# Altium PCB waffling60-MXHS-ISO.PcbDoc (part 1 of 3)
Units mm, origin at the board's own origin, x right, y up, seen from the top; angles counter-clockwise.
Board outline 284.73 x 94.2 mm, 2 copper layers (Component Side, Bottom Layer), stack 1.571 mm thick; 193 components, 119 nets, 1593 pads, 240 vias.
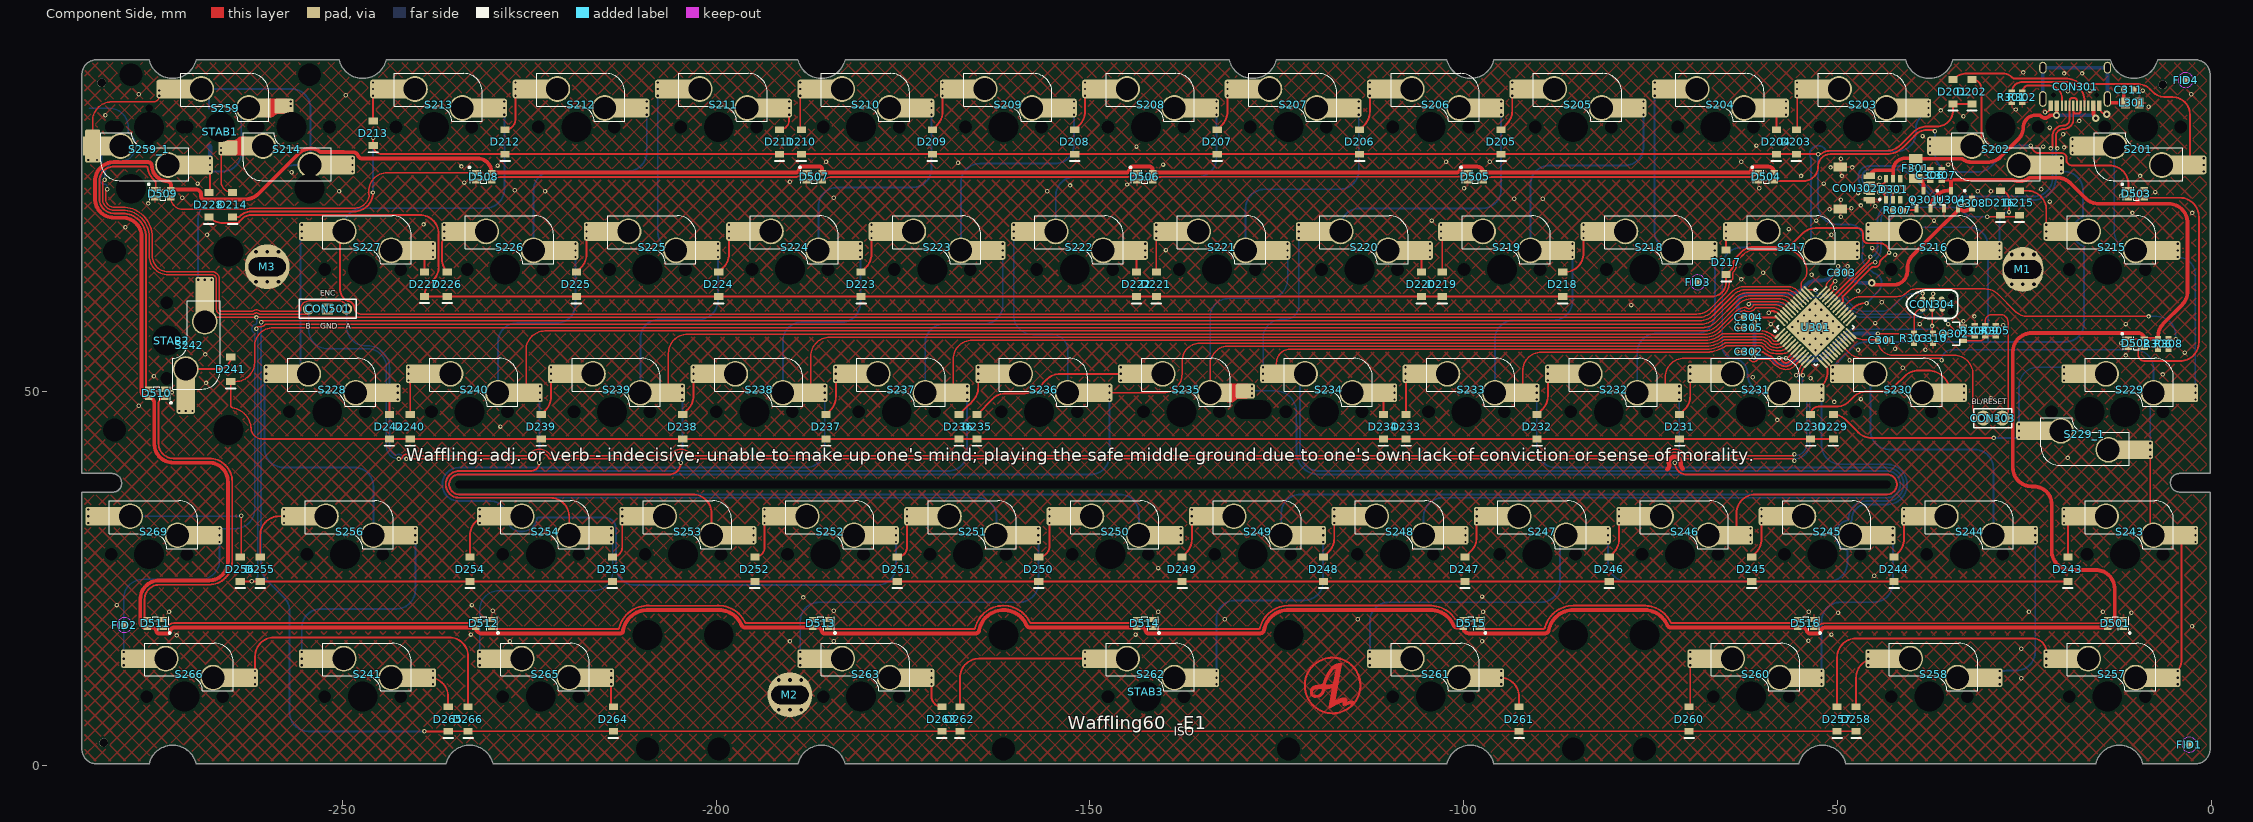
[diagram p0: Component Side view]
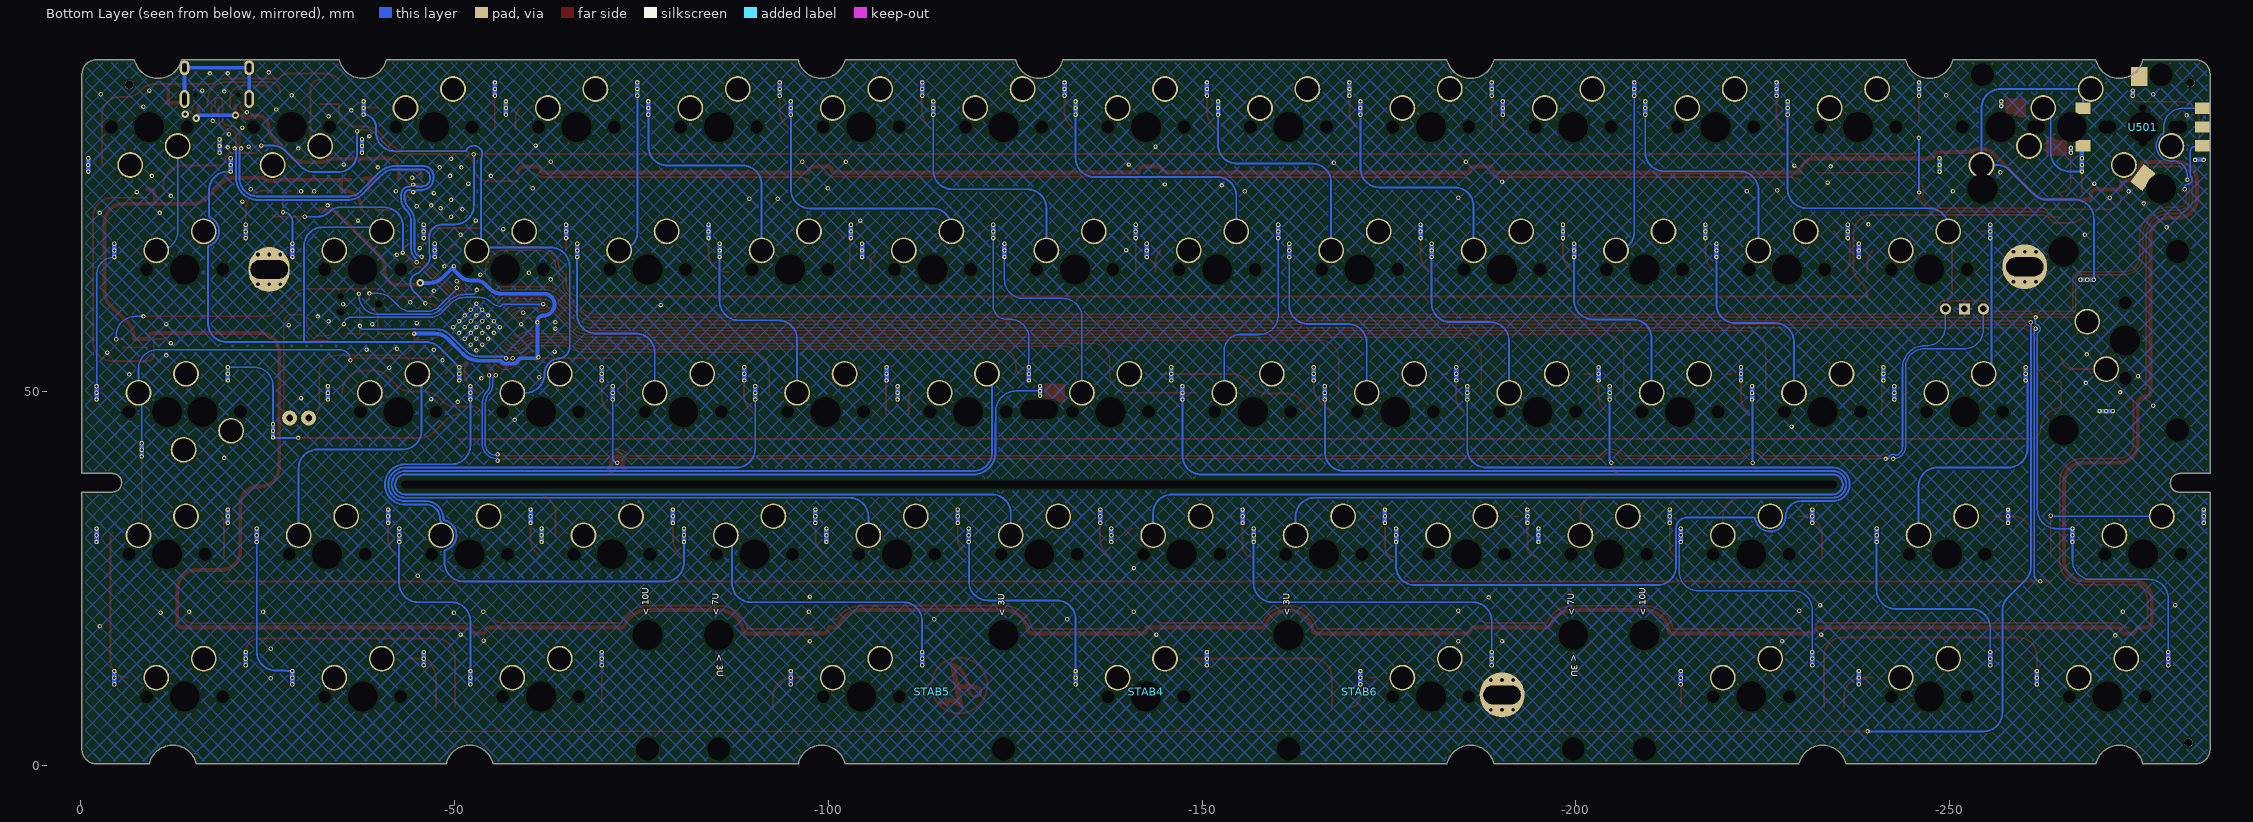
[diagram p1: Bottom Layer view, seen from below]
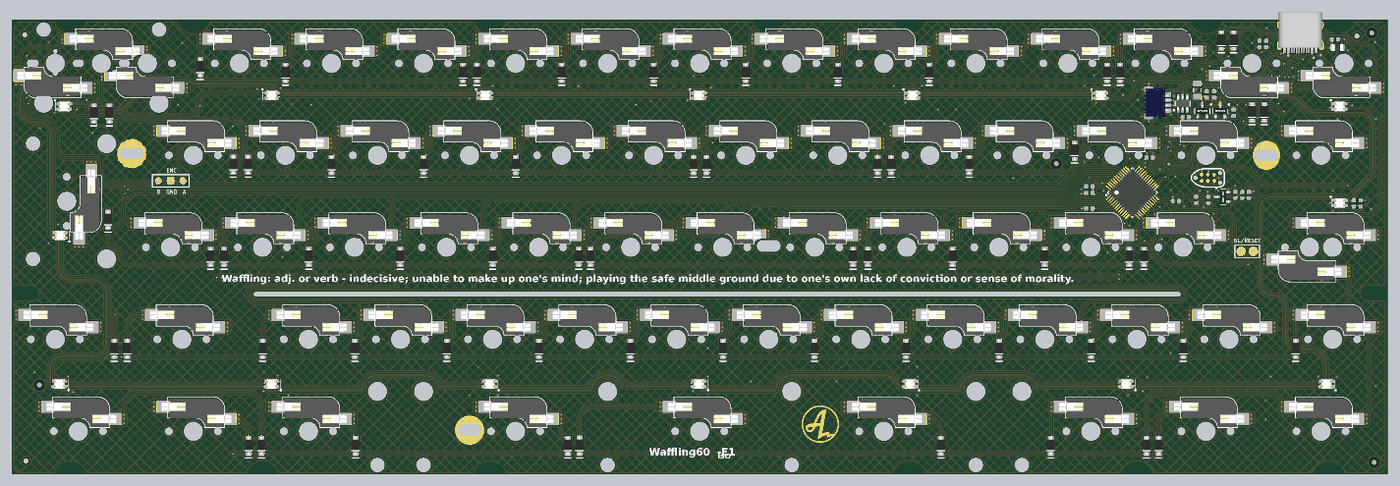
[diagram p4: 3D render of the assembled board from above, using the file's embedded part models]

## Layer stack, top to bottom
Top Solder: solder mask 0.0102, Solder Resist, Dk 3.5
Component Side: signal copper 0.0356
Dielectric 1: core 1.5, FR-4, Dk 4.2
Bottom Layer: signal copper 0.0356
Solder Side: solder mask 0.0102, Solder Resist, Dk 3.5

## Board outline
-284.85,2.215 ccw(c-282.85,2.215) -282.85,0.215 -275.85,0.215 cw(c-272.7,-0.52) -269.55,0.215 -236.137,0.215 cw(c-232.987,-0.52) -229.838,0.215 -189.05,0.215 cw(c-185.9,-0.52) -182.75,0.215 -102.25,0.215 cw(c-99.1,-0.52) -95.95,0.215 -55.161,0.215 cw(c-52.011,-0.52) -48.861,0.215 -15.45,0.215 cw(c-12.3,-0.52) -9.15,0.215 -2.15,0.215 ccw(c-2.15,2.215) -0.15,2.215 ccw(c-0.15,2.238) -0.127,2.238 -0.127,36.576 -4.191,36.576 cw(c-4.191,37.846) -5.461,37.846 cw(c-4.242,37.846) -4.242,39.065 -0.15,39.065 -0.15,92.415 ccw(c-2.15,92.415) -2.15,94.415 -7.177,94.415 cw(c-10.327,95.149) -13.477,94.415 -34.575,94.415 cw(c-37.724,95.149) -40.874,94.415 -95.95,94.415 cw(c-99.1,95.149) -102.25,94.415 -125.061,94.415 cw(c-128.211,95.149) -131.361,94.415 -182.75,94.415 cw(c-185.9,95.149) -189.05,94.415 -244.125,94.415 cw(c-247.274,95.149) -250.424,94.415 -269.55,94.415 cw(c-272.7,95.149) -275.85,94.415 -282.85,94.415 ccw(c-282.85,92.415) -284.85,92.415 -284.85,39.065 -280.797,39.065 cw(c-280.797,37.795) -279.527,37.795 -279.527,37.719 cw(c-280.67,37.719) -280.67,36.576 -284.861,36.576 -284.85,36.565

## Design rules (kind name [scope] priority, off if disabled: settings)
BoardOutlineClearance [All] p1: gap=0.254 ignorepadtopadclearanceinfootprint=FALSE except(0: Arc-SplitContinuation Track-SplitContinuation SMDPad-SplitContinuation THPad-SplitContinuation Via-SplitContinuation Fill-SplitContinuation Poly-SplitContinuation Region-SplitContinuation Text-SplitContinuation)
Clearance [All] p1: gap=0.2 ignorepadtopadclearanceinfootprint=FALSE except(0: Arc-Hole Track-Hole SMDPad-Hole THPad-Hole Via-Hole Fill-Hole Poly-Hole Region-Hole Text-Hole; 0.254: THPad-THPad THPad-Via THPad-Fill THPad-Poly THPad-Region THPad-Text Via-Via Via-Fill Via-Poly Via-Region Via-Text Fill-Fill Fill-Poly Fill-Region Fill-Text Poly-Poly Poly-Region Poly-Text Region-Region Region-Text Text-Text)
ComponentClearance [InComponent('No Component') And OnLayer('Component Side')] p1: gap=0.254 collisioncheckmode=3 verticalgap=0.254 showdistances=FALSE
DiffPairsRouting DiffPairsRouting_USB [InDifferentialPairClass('All Differential Pairs')] p1: maxlimit=0.254 minlimit=0.203 mostfreqgap=0.203 toplayer_minwidth=0.152 toplayer_maxwidth=0.381 toplayer_prefwidth=0.152 bottomlayer_minwidth=0.152 bottomlayer_maxwidth=0.381 bottomlayer_prefwidth=0.152 maxuncoupledlength=12.7
DiffPairsRouting [All] p2: maxlimit=0.254 minlimit=0.254 mostfreqgap=0.254 toplayer_minwidth=0.381 toplayer_maxwidth=0.381 toplayer_prefwidth=0.381 bottomlayer_minwidth=0.381 bottomlayer_maxwidth=0.381 bottomlayer_prefwidth=0.381 maxuncoupledlength=12.7
HoleSize [All] p1: absolutevalues=TRUE maxlimit=20 minlimit=0.025 maxpercent=80.000 minpercent=20.000
MatchedLengths MatchedLengths_USB_DiffPairs_1 [All] p1: tolerance=0.127 checknetsindiffpair=TRUE checkdiffpairvsdiffpair=FALSE checkxsignals=FALSE checkothers=FALSE
MatchedLengths MatchedLengths_USB_DiffPairs [All] p2: tolerance=0.127 checknetsindiffpair=TRUE checkdiffpairvsdiffpair=FALSE checkxsignals=FALSE checkothers=FALSE
PolygonConnect PolygonConnect_1 [All vs IsVia] p1: connectstyle=Direct reliefconductorwidth=0.254 reliefentries=4 polygonreliefangle="90 Angle" airgapwidth=0.254
PolygonConnect [All] p2: connectstyle=Relief reliefconductorwidth=0.254 reliefentries=4 polygonreliefangle="90 Angle" airgapwidth=0.254
RoutingVias [All] p1: holewidth=0.711 width=1.27 viastyle="Through Hole" minholewidth=0.711 minwidth=1.27 maxholewidth=0.711 maxwidth=1.27
SolderMaskExpansion [All] p1: expansion=0.102 istentingtop=FALSE
Width [All] p1: maxlimit=0.8 minlimit=0.203 preferedwidth=0.254 minimp=50.000000 maximp=50.000000 favimp=50.000000
27 further rules are at their usual default settings.

## Classes and differential pairs
component class 1_waffling60-MXHS-ISO_top: FID1 FID2 FID3 FID4
component class Designator: C201 C202 C203 C204 C205 C206 D201 D202 D203 D204 D205 D206 D207 D208 D209 D210 D211 D212 D213 D214 D215 D216 D217 D218 D219 D220 D221 D222 D223 D224 D225 D226 D227 D228 D229 D230 D231 D232 D233 D234 D235 D236 D237 D238 D239 D240 D241 D242 D243 D244 D245 D246 D247 D248 D249 D250 D251 D252 D253 D254 D255 D256 D257 D258 D260 D261 D262 D263 D264 D265 D266 D268 S201 S202 S203 S204 S205 S206 S207 S208 S209 S210 S211 S212 S213 S214 S215 S216 S217 S218 S219 S220 S221 S222 S223 S224 S225 S226 S227 S228 S229 S229_1 S230 S231 S232 S233 S234 S235 S236 S237 S238 S239 S240 S241 S242 S243 S244 S245 S246 S247 S248 S249 S250 S251 S252 S253 S254 S256 S257 S258 S259 S259_1 S260 S261 S262 S263 S265 S266 S269 STAB1 STAB2 STAB3 STAB4 STAB5 STAB6
differential pair D: +D_P -D_N

## Components (designator, comment, footprint, x,y, rotation, side; value= is the part's Value field where it differs from the comment)
C301 "" C0603[1608] -43.942,56.896 r180 top value=0.1uF
C302 "" C0603[1608] -61.849,55.372 r0 top value=0.1uF
C303 "" C0603[1608] -49.403,65.913 r180 top value=0.1uF
C304 "" C0603[1608] -61.849,59.944 r0 top value=0.1uF
C305 "" C0603[1608] -61.849,58.547 r0 top value=0.1uF
C306 "" C0603[1608] -37.592,78.994 r270 top value=4.7uF
C307 "" C0603[1608] -36.068,78.994 r270 top value=1uF
C308 "" C0603[1608] -32.004,75.184 r270 top value=1uF
C309 "" C0603[1608] -30.226,58.166 r270 top value=4.7uF
C310 "" C0603[1608] -37.211,57.15 r270 top value=470nF
C311 "" C0603[1608] -11.049,90.424 r180 top value=0.1uF
CON301 "TYPE-C-31-M-12" TYPE-C-31-M-12 -18.2,88.25 r180 top locked
CON302 "Header 5" UDB_combo_JST_MOLEX -47.75,77.25 r270 top
CON303 "Header 2" HDR1X2 -27.939,46.482 r180 top
CON304 "TC2030-IDC" TC2030-IDC-NL -37.338,61.722 r0 top
CON501 "Header 3" HDR1X3 -254.508,61.087 r0 top
D201 "Diode" SOD-123 -34.544,90.144 r90 top
D202 "Diode" SOD-123 -32.004,90.144 r90 top
D203 "Diode" SOD-123 -55.499,83.415 r90 top
D204 "Diode" SOD-123 -58.166,83.415 r90 top
D205 "Diode" SOD-123 -94.996,83.415 r90 top
D206 "Diode" SOD-123 -113.919,83.415 r90 top
D207 "Diode" SOD-123 -132.969,83.415 r90 top
D208 "Diode" SOD-123 -152.019,83.415 r90 top
D209 "Diode" SOD-123 -171.069,83.415 r90 top
D210 "Diode" SOD-123 -188.595,83.415 r90 top
D211 "Diode" SOD-123 -191.516,83.415 r90 top
D212 "Diode" SOD-123 -228.219,83.415 r90 top
D213 "Diode" SOD-123 -245.872,84.582 r90 top
D214 "Diode" SOD-123 -264.668,75 r90 top
D215 "Diode" SOD-123 -25.654,75.254 r90 top
D216 "Diode" SOD-123 -28.194,75.254 r90 top
D217 "Diode" SOD-123 -64.897,67.31 r90 top
D218 "Diode" SOD-123 -86.741,64.365 r90 top
D219 "Diode" SOD-123 -102.87,64.365 r90 top
D220 "Diode" SOD-123 -105.664,64.365 r90 top
D221 "Diode" SOD-123 -141.097,64.365 r90 top
D222 "Diode" SOD-123 -143.764,64.365 r90 top
D223 "Diode" SOD-123 -180.594,64.365 r90 top
D224 "Diode" SOD-123 -199.644,64.365 r90 top
D225 "Diode" SOD-123 -218.694,64.365 r90 top
D226 "Diode" SOD-123 -235.966,64.389 r90 top
D227 "Diode" SOD-123 -239.014,64.389 r90 top
D228 "Diode" SOD-123 -267.843,75 r90 top
D229 "Diode" SOD-123 -50.546,45.315 r90 top
D230 "Diode" SOD-123 -53.594,45.315 r90 top
D231 "Diode" SOD-123 -71.12,45.315 r90 top
D232 "Diode" SOD-123 -90.17,45.315 r90 top
D233 "Diode" SOD-123 -107.696,45.315 r90 top
D234 "Diode" SOD-123 -110.744,45.315 r90 top
D235 "Diode" SOD-123 -165.1,45.315 r90 top
D236 "Diode" SOD-123 -167.513,45.315 r90 top
D237 "Diode" SOD-123 -185.293,45.315 r90 top
D238 "Diode" SOD-123 -204.47,45.315 r90 top
D239 "Diode" SOD-123 -223.393,45.315 r90 top
D240 "Diode" SOD-123 -240.919,45.315 r90 top
D241 "Diode" SOD-123 -264.922,53 r90 top
D242 "Diode" SOD-123 -243.713,45.315 r90 top
D243 "Diode" SOD-123 -19.177,26.265 r90 top
D244 "Diode" SOD-123 -42.418,26.265 r90 top
D245 "Diode" SOD-123 -61.468,26.265 r90 top
D246 "Diode" SOD-123 -80.518,26.265 r90 top
D247 "Diode" SOD-123 -99.822,26.265 r90 top
D248 "Diode" SOD-123 -118.745,26.265 r90 top
D249 "Diode" SOD-123 -137.668,26.265 r90 top
D250 "Diode" SOD-123 -156.845,26.265 r90 top
D251 "Diode" SOD-123 -175.768,26.265 r90 top
D252 "Diode" SOD-123 -194.818,26.265 r90 top
D253 "Diode" SOD-123 -213.868,26.265 r90 top
D254 "Diode" SOD-123 -232.918,26.265 r90 top
D255 "Diode" SOD-123 -260.985,26.265 r90 top
D256 "Diode" SOD-123 -263.652,26.265 r90 top
D257 "Diode" SOD-123 -50.038,6.215 r90 top
D258 "Diode" SOD-123 -47.498,6.215 r90 top
D260 "Diode" SOD-123 -69.85,6.215 r90 top
D261 "Diode" SOD-123 -92.583,6.215 r90 top
D262 "Diode" SOD-123 -167.386,6.223 r90 top
D263 "Diode" SOD-123 -169.799,6.215 r90 top
D264 "Diode" SOD-123 -213.741,6.215 r90 top
D265 "Diode" SOD-123 -235.839,6.215 r90 top
D266 "Diode" SOD-123 -233.172,6.215 r90 top
D301 "SRV05" SOT-23-6 -42.545,77.089 r270 top
D501 "WS2812B - MINI" "WS2812B - 2020" -12.806,19 r180 top
D502 "WS2812B - MINI" "WS2812B - 2020" -10.006,56.5 r0 top
D503 "WS2812B - MINI" "WS2812B - 2020" -10.006,76.5 r0 top
D504 "WS2812B - MINI" "WS2812B - 2020" -59.506,78.75 r0 top
D505 "WS2812B - MINI" "WS2812B - 2020" -98.439,78.75 r0 top
D506 "WS2812B - MINI" "WS2812B - 2020" -142.656,78.75 r0 top
D507 "WS2812B - MINI" "WS2812B - 2020" -186.873,78.75 r0 top
D508 "WS2812B - MINI" "WS2812B - 2020" -231.089,78.75 r0 top
D509 "WS2812B - MINI" "WS2812B - 2020" -274,76.5 r0 top
D510 "WS2812B - MINI" "WS2812B - 2020" -274.834,49.784 r180 top
D511 "WS2812B - MINI" "WS2812B - 2020" -275.006,19 r180 top
D512 "WS2812B - MINI" "WS2812B - 2020" -231.089,19 r180 top
D513 "WS2812B - MINI" "WS2812B - 2020" -186.006,19 r180 top
D514 "WS2812B - MINI" "WS2812B - 2020" -142.656,19 r180 top
D515 "WS2812B - MINI" "WS2812B - 2020" -99.006,19 r180 top
D516 "WS2812B - MINI" "WS2812B - 2020" -54.223,19 r180 top
F301 "Fuse Thermal" C1206[3216] -39.497,79.883 r90 top
FID1 "Plug" Fiducial_Nordic -2.921,2.794 r90 top
FID2 "Plug" Fiducial_Nordic -279.146,18.796 r90 top
FID3 "Plug" Fiducial_Nordic -68.7,64.64 r90 top
FID4 "Plug" Fiducial_Nordic -3.429,91.694 r90 top
L301 "Inductor" L0805 -10.541,88.646 r180 top
M1 "Socket" mounting_hole#1 -25.2,66.365 r0 top
M2 "Socket" mounting_hole#2 -190.119,9.45 r0 top
M3 "Socket" mounting_hole#3 -260.05,66.715 r180 top
Q301 "PMOS-2" SOT-23-3 -38.481,75.692 r270 top
Q302 "2N7002 NMOS" SOT-23-3 -34.364,57.77 r0 top
R301 "Res1" R0603[1608] -26.67,89.408 r270 top value=5k1
R302 "Res1" R0603[1608] -25.273,89.408 r270 top value=5k1
R303 "Res1" R0603[1608] -39.751,57.15 r270 top value=10K
R304 "Res1" R0603[1608] -31.623,58.166 r90 top value=10K
R305 "Res1" R0603[1608] -28.829,58.166 r90 top value=100K
R306 "Res1" R0603[1608] -7.112,56.388 r270 top value=10K
R307 "Res1" R0603[1608] -41.91,74.295 r180 top value=10K
R308 "Res1" R0603[1608] -5.715,56.388 r90 top value=470
S201 "MX" "MXHS-SWITCH - 1U TOP LAYER - AS2" -9.15,85.415 r0 top
S202 "MX" "MXHS-SWITCH - 1U TOP LAYER - SWITCHED POL AS2" -28.2,85.415 r0 top
S203 "MX" "MXHS-SWITCH - 1U TOP LAYER - AS2" -47.25,85.415 r180 top
S204 "MX" "MXHS-SWITCH - 1U TOP LAYER - SWITCHED POL AS2" -66.3,85.415 r180 top
S205 "MX" "MXHS-SWITCH - 1U TOP LAYER - AS2" -85.35,85.415 r180 top
S206 "MX" "MXHS-SWITCH - 1U TOP LAYER - AS2" -104.4,85.415 r180 top
S207 "MX" "MXHS-SWITCH - 1U TOP LAYER - AS2" -123.45,85.415 r180 top
S208 "MX" "MXHS-SWITCH - 1U TOP LAYER - AS2" -142.5,85.415 r180 top
S209 "MX" "MXHS-SWITCH - 1U TOP LAYER - AS2" -161.55,85.415 r180 top
S210 "MX" "MXHS-SWITCH - 1U TOP LAYER - AS2" -180.6,85.415 r180 top
S211 "MX" "MXHS-SWITCH - 1U TOP LAYER - SWITCHED POL AS2" -199.65,85.415 r180 top
S212 "MX" "MXHS-SWITCH - 1U TOP LAYER - AS2" -218.7,85.415 r180 top
S213 "MX" "MXHS-SWITCH - 1U TOP LAYER - AS2" -237.75,85.415 r180 top
S214 "MX" "MXHS-switch - 1U Top layer - AS2 - S2"#1 -256.8,85.415 r0 top
S215 "MX" "MXHS-SWITCH - 1U TOP LAYER - AS2" -13.912,66.365 r180 top
S216 "MX" "MXHS-SWITCH - 1U TOP LAYER - SWITCHED POL AS2" -37.725,66.365 r180 top
S217 "MX" "MXHS-SWITCH - 1U TOP LAYER - AS2" -56.775,66.365 r180 top
S218 "MX" "MXHS-SWITCH - 1U TOP LAYER - AS2" -75.825,66.365 r180 top
S219 "MX" "MXHS-SWITCH - 1U TOP LAYER - AS2" -94.875,66.365 r180 top
S220 "MX" "MXHS-SWITCH - 1U TOP LAYER - SWITCHED POL AS2" -113.925,66.365 r180 top
S221 "MX" "MXHS-SWITCH - 1U TOP LAYER - AS2" -132.975,66.365 r180 top
S222 "MX" "MXHS-SWITCH - 1U TOP LAYER - SWITCHED POL AS2" -152.025,66.365 r180 top
S223 "MX" "MXHS-SWITCH - 1U TOP LAYER - AS2" -171.075,66.365 r180 top
S224 "MX" "MXHS-SWITCH - 1U TOP LAYER - AS2" -190.125,66.365 r180 top
S225 "MX" "MXHS-SWITCH - 1U TOP LAYER - AS2" -209.175,66.365 r180 top
S226 "MX" "MXHS-SWITCH - 1U TOP LAYER - AS2" -228.225,66.365 r180 top
S227 "MX" "MXHS-SWITCH - 1U TOP LAYER - SWITCHED POL AS2" -247.275,66.365 r180 top
S228 "MX" "MXHS-SWITCH - 1U TOP LAYER - SWITCHED POL AS2" -252.012,47.315 r180 top
S229 "MX" "MXHS-switch - 1U Top layer - AS2"#1 -11.531,47.315 r180 top
S229_1 "MX" "MXHS-switch - 1U Top layer - AS2"#1 -16.294,47.315 r0 top
S230 "MX" "MXHS-SWITCH - 1U TOP LAYER - SWITCHED POL AS2" -42.487,47.315 r180 top locked
S231 "MX" "MXHS-SWITCH - 1U TOP LAYER - AS2" -61.537,47.315 r180 top locked
S232 "MX" "MXHS-SWITCH - 1U TOP LAYER - AS2" -80.587,47.315 r180 top
S233 "MX" "MXHS-SWITCH - 1U TOP LAYER - AS2" -99.637,47.315 r180 top
S234 "MX" "MXHS-SWITCH - 1U TOP LAYER - SWITCHED POL AS2" -118.687,47.315 r180 top
S235 "MX" "MXHS-switch - 1U Top layer - AS2 - S2"#2 -137.737,47.315 r180 top
S236 "MX" "MXHS-SWITCH - 1U TOP LAYER - AS2" -156.787,47.315 r180 top
S237 "MX" "MXHS-SWITCH - 1U TOP LAYER - AS2" -175.837,47.315 r180 top
S238 "MX" "MXHS-SWITCH - 1U TOP LAYER - AS2" -194.887,47.315 r180 top
S239 "MX" "MXHS-SWITCH - 1U TOP LAYER - AS2" -213.937,47.315 r180 top
S240 "MX" "MXHS-SWITCH - 1U TOP LAYER - AS2" -232.987,47.315 r180 top
S241 "MX" "MXHS-SWITCH - 1U TOP LAYER - AS2" -247.274,9.215 r180 top
S242 "MX" "MXHS-SWITCH - 1U TOP LAYER - SWITCHED POL AS2" -273.48,56.84 r90 top locked
S243 "MX" "MXHS-switch - 1U Top layer - AS2"#2 -11.531,28.265 r180 top
S244 "MX" "MXHS-SWITCH - 1U TOP LAYER - SWITCHED POL AS2" -32.96,28.265 r180 top
S245 "MX" "MXHS-SWITCH - 1U TOP LAYER - AS2" -52.012,28.265 r180 top
S246 "MX" "MXHS-SWITCH - 1U TOP LAYER - AS2" -71.062,28.265 r180 top
S247 "MX" "MXHS-SWITCH - 1U TOP LAYER - AS2" -90.112,28.265 r180 top
S248 "MX" "MXHS-SWITCH - 1U TOP LAYER - AS2" -109.162,28.265 r180 top
S249 "MX" "MXHS-SWITCH - 1U TOP LAYER - AS2" -128.212,28.265 r180 top
S250 "MX" "MXHS-SWITCH - 1U TOP LAYER - AS2" -147.262,28.265 r180 top
S251 "MX" "MXHS-SWITCH - 1U TOP LAYER - AS2" -166.312,28.265 r180 top
S252 "MX" "MXHS-SWITCH - 1U TOP LAYER - AS2" -185.362,28.265 r180 top
S253 "MX" "MXHS-SWITCH - 1U TOP LAYER - AS2" -204.412,28.265 r180 top
S254 "MX" "MXHS-SWITCH - 1U TOP LAYER - AS2" -223.462,28.265 r180 top
S256 "MX" "MXHS-SWITCH - 1U TOP LAYER - AS2" -249.655,28.265 r180 top
S257 "MX" "MXHS-switch - 1U Top layer - switched pol AS2" -13.912,9.215 r180 top
S258 "MX" "MXHS-SWITCH - 1U TOP LAYER - AS2" -37.724,9.215 r180 top
S259 "MX" "MXHS-switch - 1U Top layer - AS2 - S2"#3 -266.325,85.415 r180 top
S259_1 "MX" "MXHS-SWITCH - 1U TOP LAYER - AS2 - S1" -275.85,85.415 r0 top
S260 "MX" "MXHS-SWITCH - 1U TOP LAYER - AS2" -61.537,9.215 r180 top
S261 "MX" "MXHS-SWITCH - 1U TOP LAYER - SWITCHED POL AS2" -104.399,9.215 r180 top
S262 "MX" "MXHS-SWITCH - 1U TOP LAYER - SWITCHED POL AS2" -142.499,9.215 r180 top
S263 "MX" "MXHS-SWITCH - 1U TOP LAYER - SWITCHED POL AS2" -180.599,9.215 r180 top
S265 "MX" "MXHS-SWITCH - 1U TOP LAYER - SWITCHED POL AS2" -223.462,9.215 r180 top
S266 "MX" "MXHS-SWITCH - 1U TOP LAYER - SWITCHED POL AS2" -271.087,9.215 r180 top
S269 "MX" "MXHS-SWITCH - 1U TOP LAYER - AS2" -275.85,28.265 r180 top
STAB1 "Plug" "Stab 2u" -266.325,85.415 r0 top locked
STAB2 "Plug" "Stab 2u" -273.48,56.84 r90 top locked
STAB3 "Plug" "Stab 7U" -142.499,9.215 r180 top locked
STAB4 "Plug" "Stab 10U" -142.499,9.215 r0 bottom locked
STAB5 "Plug" "Stab 3u"#1 -104.399,9.215 r0 bottom
STAB6 "Plug" "Stab 3u"#2 -180.599,9.215 r0 bottom
U301 "STM32F072/F303_LQFP48" "STM32 - COMBO 7X7MM" -52.932,58.65 r315 top locked
U304 "XC6206P332MR" SOT-23-3 -34.798,75.692 r270 top
U501 "EC-11 SMD" EC11-SMD -275.85,85.415 r90 bottom locked
